# Altium PCB cyber60-smk.PcbDoc (part 4 of 4)
Units mm, origin at the board's own origin, x right, y up, seen from the top; angles counter-clockwise.
Board outline 284.73 x 94.2 mm, 2 copper layers (Component Side, Bottom Layer), stack 1.571 mm thick; 239 components, 148 nets, 988 pads, 591 vias.
Unrouted connection lines stored in the file: 6.
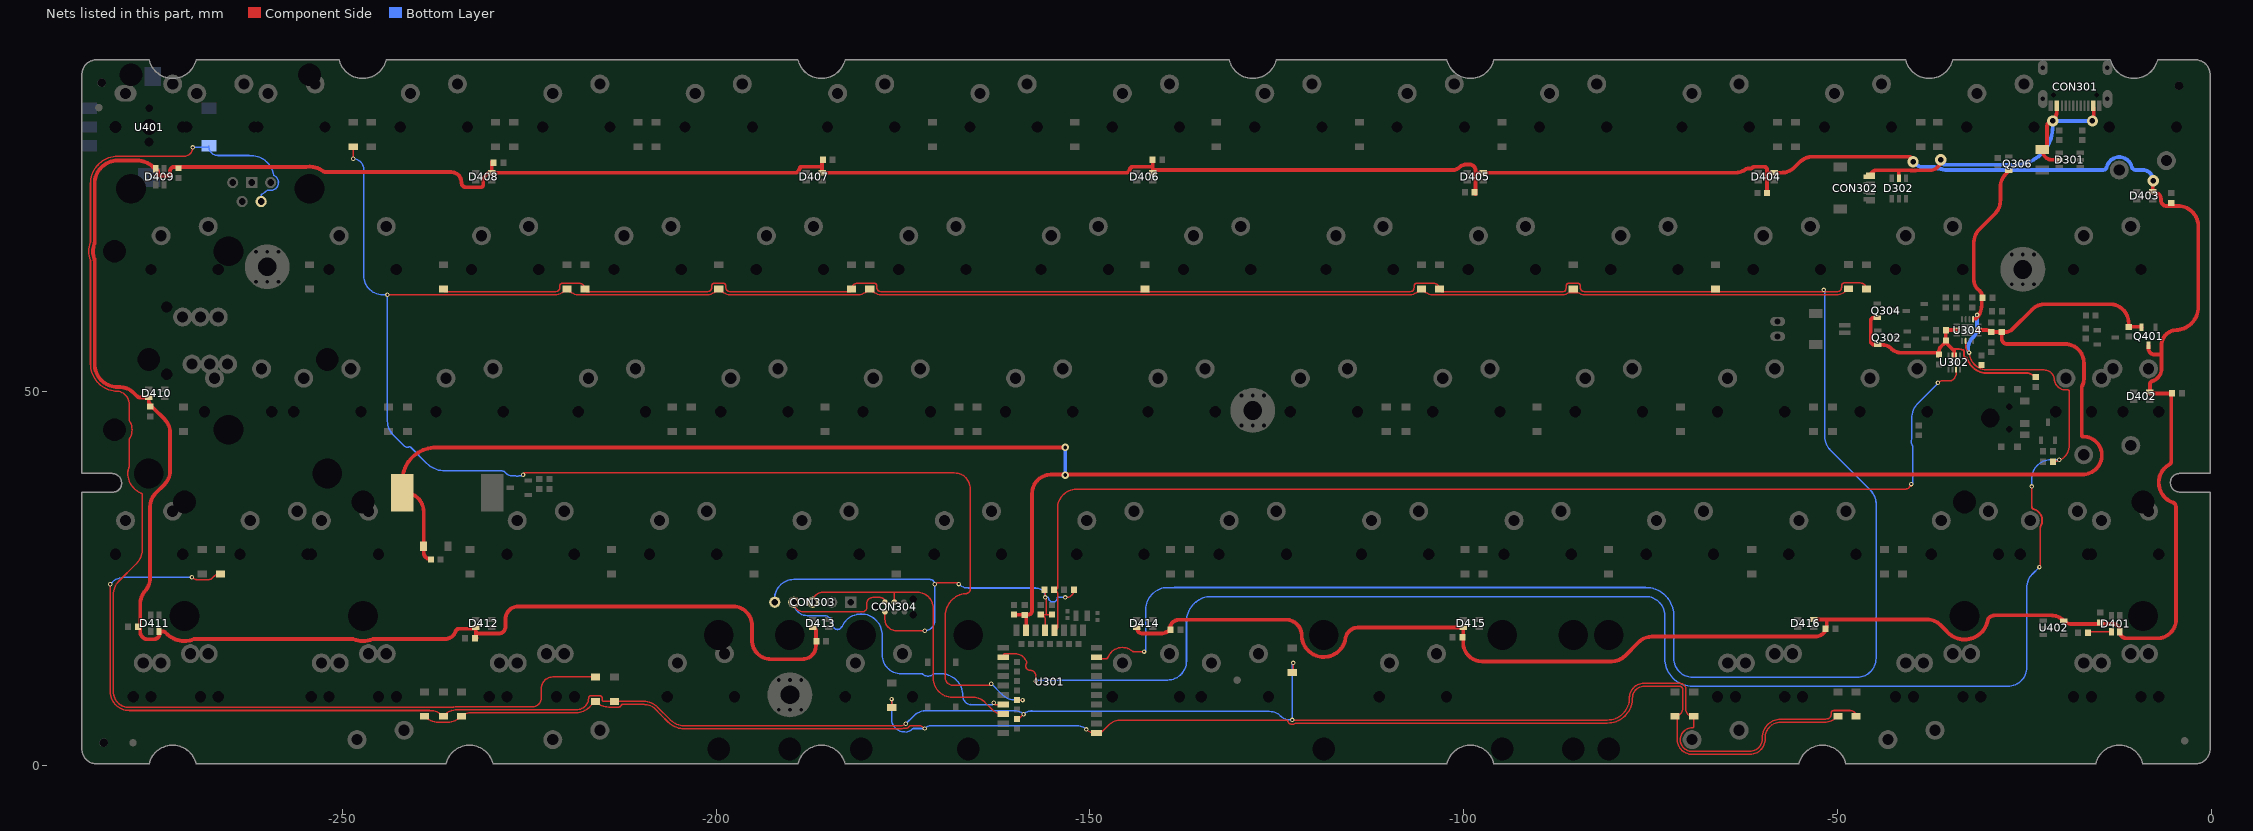
[diagram p4: the nets of this part, all layers, seen from the top]

## Via types
v1: diameter 0.6, hole 0.3, Component Side to Bottom Layer, tented both sides, 577 vias
v2: diameter 1, hole 0.5, Component Side to Bottom Layer, tented both sides, 9 vias
v3: diameter 1.5, hole 0.75, Component Side to Bottom Layer, tented both sides, 5 vias

## Nets (pads, with @x,y where several pads share a name; then routed paths per layer and width w, separated by ;. In a path a pad name is that pad's centre, name@x,y a point inside that pad or via, vN(x,y) a via of type N, cw(c..) or ccw(c..) an arc to the next point about the centre after c; other vN are vias at no path point) (continued)
P0.31/AIN7: D215.2 D217.2 D219.2 D221.2 D223.2 D225.2 D227.2 U301.9 | length 374.3
  Component Side w0.203: D227.2@-236.474,63.73 ccw(c-235.99,63.73) -236.368,63.428 ccw(c-236.209,63.554) -236.209,63.351 -232.791,63.351 -221.798,63.351 ccw(c-221.798,65.488) -221.26,63.42 ccw(c-221.311,63.617) -221.207,63.442 ccw(c-221.534,63.984) -220.901,63.984 -220.901,64.185 cw(c-220.574,64.185) -220.574,64.512 -218.333,64.512 cw(c-218.333,63.73) D225.2@-217.551,63.73 ccw(c-217.067,63.73) -217.445,63.428 ccw(c-217.286,63.554) -217.286,63.351 -216.281,63.351 -201.478,63.351 ccw(c-201.478,65.488) -200.94,63.42 ccw(c-200.991,63.617) -200.887,63.442 ccw(c-201.214,63.984) -200.581,63.984 -200.581,64.185 cw(c-200.254,64.185) -200.254,64.512 -199.034,64.512 cw(c-199.034,64.185) -198.707,64.185 -198.707,63.984 ccw(c-198.074,63.984) -198.405,63.445 ccw(c-198.297,63.617) -198.35,63.421 ccw(c-197.81,65.488) -197.81,63.351 -196.215,63.351 -182.129,63.351 ccw(c-182.129,63.554) -181.971,63.426 ccw(c-182.348,63.73) D223.2@-181.864,63.73 cw(c-181.082,63.73) -181.082,64.512 -178.841,64.512 cw(c-178.841,64.185) -178.514,64.185 -178.514,63.984 ccw(c-177.881,63.984) -178.212,63.445 ccw(c-178.104,63.617) -178.157,63.421 ccw(c-177.617,65.488) -177.617,63.351 -107.498,63.351 ccw(c-107.498,65.488) -106.97,63.418 ccw(c-107.498,65.488) -106.968,63.418 ccw(c-107.498,65.488) -106.882,63.442 ccw(c-106.94,63.637) -106.792,63.497 ccw(c-107.129,63.811) -106.669,63.811 ccw(c-107.667,64.185) -106.601,64.185 cw(c-106.274,64.185) -106.274,64.512 -104.033,64.512 cw(c-104.033,63.73) D219.2@-103.251,63.73 ccw(c-102.872,63.73) -102.872,63.351 -87.102,63.351 ccw(c-87.102,65.488) -86.538,63.427 ccw(c-86.591,63.623) -86.421,63.512 ccw(c-87.146,63.984) -86.281,63.984 -86.281,64.185 cw(c-85.954,64.185) -85.954,64.512 -84.734,64.512 cw(c-84.734,64.185) -84.407,64.185 -84.407,63.984 ccw(c-83.774,63.984) -84.105,63.445 ccw(c-83.997,63.617) -84.05,63.421 ccw(c-83.51,65.488) -83.51,63.351 -50.388,63.351 ccw(c-50.388,65.488) -49.773,63.442 ccw(c-49.832,63.636) -49.713,63.471 ccw(c-50.084,63.984) -49.451,63.984 -49.451,64.225 cw(c-49.124,64.225) -49.124,64.552 -46.923,64.552 cw(c-46.923,63.73) D215.2@-46.101,63.73 ; U301.9@-148.38,14.297 -147.79,14.297 ccw(c-147.79,14.5) -147.599,14.43 cw(c-145.649,13.715) -144.295,15.289 ; -145.13,15.725 cw(c-145.649,13.715) -144.295,15.289 ; v1(-142.748,15.24) -144.163,15.24 cw(c-144.163,15.443) -144.294,15.288 cw(c-144.163,15.443) -144.295,15.289
  Bottom Layer w0.203: v1(-142.748,15.24) ccw(c-142.748,15.472) -142.516,15.472 -142.516,20.87 cw(c-139.573,20.87) -141.88,22.697 cw(c-139.573,20.87) -140.963,23.464 cw(c-139.573,20.87) -139.573,23.813 -138.715,23.813 ccw(c-138.715,24.016) -138.684,23.816 -75.648,23.816 cw(c-75.648,20.066) -73.734,23.29 cw(c-75.648,20.066) -72.722,22.412 ccw(c-72.564,22.539) -72.644,22.352 ccw(c-72.443,22.38) -72.607,22.261 cw(c-75.648,20.066) -71.922,20.485 cw(c-75.648,20.066) -71.898,20.066 -71.898,14.346 ccw(c-69.358,14.351) -71.575,13.111 ccw(c-69.358,14.351) -70.148,11.937 ccw(c-69.358,14.351) -69.358,11.811 -47.371,11.811 ccw(c-47.371,14.351) -44.831,14.351 -44.831,35.016 ccw(c-47.371,35.016) -45.575,36.812 -50.945,42.182 cw(c-49.149,43.978) -51.689,43.978 -51.689,63.32 ccw(c-52.123,63.32) v1(-51.816,63.627)
P1.00: D216.2 D218.2 D220.2 D222.2 D224.2 D226.2 D228.2 U301.36 | length 361
  Component Side w0.203: v1(-248.539,81.153) D228.2@-248.539,82.78 ; v1@-243.967,62.948 -221.798,62.948 ccw(c-221.798,65.488) -220.002,63.692 D226.2@-219.964,63.73 D226.2@-219.904,63.67 ; v1(-225.83,38.91) cw(c-225.598,38.91) -225.598,39.142 -168.126,39.142 cw(c-168.126,37.006) -165.989,37.006 -165.989,23.632 cw(c-166.623,23.632) -165.989,23.624 cw(c-166.623,23.632) -166.059,23.342 cw(c-166.623,23.632) -166.213,23.148 cw(c-166.623,23.632) -166.29,23.093 cw(c-166.623,23.632) -166.5,23.01 cw(c-166.623,23.632) -166.623,22.998 ccw(c-166.623,22.595) -166.66,22.996 ccw(c-166.386,20.066) -166.679,22.995 ; D226.2@-219.903,63.669 ccw(c-218.161,65.413) -219.39,63.276 ccw(c-218.161,65.413) -218.161,62.948 -201.478,62.948 ccw(c-201.478,65.488) -200.23,63.276 ccw(c-201.478,65.488) -199.682,63.692 D224.2@-199.644,63.73 -199.606,63.692 ccw(c-197.81,65.488) -199.058,63.276 ccw(c-197.81,65.488) -197.81,62.948 -181.254,62.948 ccw(c-181.254,65.413) -180.025,63.276 ccw(c-181.254,65.413) -179.511,63.67 D222.2@-179.451,63.73 -179.413,63.692 ccw(c-177.617,65.488) -178.865,63.276 ccw(c-177.617,65.488) -177.617,62.948 -107.498,62.948 ccw(c-107.498,65.488) -106.25,63.276 ccw(c-107.498,65.488) -105.702,63.692 D220.2@-105.664,63.73 -105.604,63.67 ccw(c-103.861,65.413) -105.09,63.276 ccw(c-103.861,65.413) -103.861,62.948 -87.102,62.948 ccw(c-87.102,65.488) D218.2@-85.854,63.276 ; -167.489,22.795 cw(c-166.386,20.066) -167.347,22.848 cw(c-166.386,20.066) -166.679,22.995 ; v1(-163.195,10.955) -163.195,10.922 -163.295,10.822 ccw(c-163.23,10.757) -163.322,10.757 -168.402,10.757 cw(c-168.402,11.684) -168.425,10.757 ccw(c-168.447,9.951) -168.427,10.757 cw(c-168.402,11.684) -169.018,10.991 -169.079,11.052 ccw(c-170.053,10.335) -169.162,11.152 cw(c-168.402,11.684) -169.329,11.684 -169.329,20.066 cw(c-166.386,20.066) -168.39,22.222 cw(c-166.386,20.066) -166.946,22.955 cw(c-166.386,20.066) -166.679,22.995 ; U301.36@-159.748,8.771 -159.74,8.763 v1(-159.004,8.763) ; D218.2@-85.306,63.692 cw(c-87.102,65.488) D218.2@-85.854,63.276 ; D216.2@-48.514,63.77 -48.592,63.692 cw(c-50.388,65.488) -50.388,62.948 -83.51,62.948 cw(c-83.51,65.488) -84.758,63.276 D218.2@-85.854,63.276
  Bottom Layer w0.203: v1(-248.539,81.153) cw(c-248.539,79.756) -247.142,79.756 -247.142,65.532 ccw(c-244.602,65.532) -244.602,62.992 v1(-243.967,62.992) -243.967,46.057 ccw(c-241.427,46.057) -243.223,44.261 -241.791,42.829 cw(c-241.934,42.685) -241.775,42.811 ccw(c-241.3,43.18) -241.076,42.622 cw(c-241.001,42.433) -240.857,42.576 -238.694,40.414 ccw(c-236.311,42.799) -238.013,39.889 ccw(c-236.311,42.799) -236.832,39.468 ccw(c-236.311,42.799) -236.311,39.427 -228.727,39.427 cw(c-228.727,38.683) -228.2,39.208 -228.122,39.131 cw(c-228.265,38.986) -228.108,39.115 ccw(c-227.33,39.751) -227.933,38.947 ccw(c-227.33,39.751) -227.191,38.756 -226.9,38.756 cw(c-226.899,38.553) -226.824,38.742 ; -226.823,38.741 ccw(c-226.6,39.3) -226.377,38.741 ; -226.376,38.742 cw(c-226.301,38.553) -226.3,38.756 -226.202,38.756 ccw(c-226.202,39.283) v1(-225.83,38.91) ; v1(-163.195,10.955) -161.747,9.507 ccw(c-159.951,11.303) -159.951,8.763 v1(-159.004,8.763)
P1.04: D257.2 D259.2 D261.2 D263.2 D265.2 D267.2 U301.40 | length 298.7
  Component Side w0.203: v1(-281.051,24.257) -281.051,9.902 ccw(c-278.511,9.902) -278.511,7.362 -238.308,7.362 cw(c-238.308,4.822) -236.512,6.618 -236.403,6.727 cw(c-234.607,4.931) -234.607,7.471 -218.719,7.471 ccw(c-218.719,9.608) -218.118,7.557 ccw(c-218.63,9.035) -217.066,9.035 cw(c-216.764,9.035) -216.764,9.337 -215.544,9.337 cw(c-215.544,9.035) -215.242,9.035 -215.242,8.783 ccw(c-215.039,8.783) -215.039,8.58 D263.2@-213.614,8.58 -209.657,8.58 cw(c-209.657,6.04) -207.861,7.836 -206.103,6.078 ccw(c-204.307,7.874) -204.307,5.334 -175.238,5.334 ccw(c-175.238,6.201) v1(-174.625,5.588) ; v1(-270.117,25.196) ccw(c-269.278,26.035) -269.413,24.856 ccw(c-269.278,26.035) -269.278,24.848 -267.97,24.848 ccw(c-267.97,25.662) -267.395,25.086 -267.081,25.4 cw(c-266.526,24.845) -266.526,25.63 D267.2@-266.319,25.63 ; U301.40@-159.748,6.231 ccw(c-159.748,6.82) -159.331,6.404 v1(-158.877,6.858) ; v1(-122.936,6.096) ccw(c-122.902,6.13) -122.902,6.082 -80.773,6.082 ccw(c-80.773,9.025) -79.929,6.206 ccw(c-80.773,9.025) -78.454,7.214 ccw(c-80.773,9.025) -77.83,9.025 cw(c-75.846,9.025) -75.846,11.01 -71.132,11.01 cw(c-71.132,10.16) -70.282,10.16 -70.282,7.492 ccw(c-69.37,7.492) -69.37,6.58 D259.2@-69.215,6.58 -69.215,5.241 cw(c-69.418,5.24) -69.422,5.036 ccw(c-69.449,3.465) -70.237,4.825 ccw(c-69.449,3.465) -70.886,2.828 ; D261.2@-122.936,12.462 ccw(c-123.287,12.813) -122.791,12.813 v1(-122.791,13.717) ; -70.546,4.591 ccw(c-69.449,3.465) -70.768,2.61 ccw(c-69.449,3.465) -69.625,1.903 ccw(c-69.449,3.465) -69.473,1.894 ccw(c-69.449,3.465) -69.427,1.894 cw(c-69.425,1.69) -69.424,1.894 -61.733,1.894 ccw(c-61.733,3.556) -60.071,3.556 -60.071,3.705 cw(c-57.575,3.705) -57.575,6.201 -51.745,6.201 ccw(c-51.745,8.338) -51.207,6.27 ccw(c-51.258,6.467) -51.154,6.292 ccw(c-51.481,6.834) -50.848,6.834 -50.848,7.035 cw(c-50.521,7.035) -50.521,7.362 -48.28,7.362 cw(c-48.28,6.58) D257.2@-47.498,6.58
  Bottom Layer w0.203: v1(-281.051,24.257) -280.856,24.452 cw(c-279.06,22.656) -279.06,25.196 v1(-270.117,25.196) ; v1(-174.625,5.588) -173.613,6.6 cw(c-171.817,4.804) -171.817,7.344 -160.05,7.344 cw(c-160.05,5.685) v1(-158.877,6.858) cw(c-157.704,5.685) -157.704,7.344 ; -158.242,7.239 -125.993,7.239 cw(c-125.993,5.071) -124.46,6.604 ccw(c-123.234,7.83) -123.234,6.096 v1(-122.936,6.096) -122.936,13.366 cw(c-122.439,13.366) v1(-122.791,13.717)
P1.09: R304.2 U301.17 U302.7 | length 152.1
  Component Side w0.203: U301.17@-154.718,18.106 ccw(c-154.718,18.497) -154.327,18.497 -154.327,23.024 ccw(c-154.798,23.024) R304.2@-154.798,23.495 -154.686,23.495 ccw(c-154.686,23.876) -154.31,23.814 cw(c-153.431,23.988) -154.327,23.988 -154.327,34.417 cw(c-151.787,34.417) -151.787,36.957 -40.854,36.957 cw(c-40.386,36.068) -40.518,37.064 cw(c-39.971,36.814) -40.087,37.404 -40.121,37.438 v1(-40.121,37.655) ; v1(-36.553,51.218) cw(c-35.948,50.612) -35.948,51.468 -35.006,51.468 cw(c-34.975,51.066) -34.975,51.47 cw(c-34.975,51.066) -34.956,51.469 ccw(c-34.925,52.07) -34.656,51.532 ccw(c-34.925,52.07) -34.444,51.709 ccw(c-35.216,52.481) -34.377,51.782 ccw(c-35.64,52.785) -34.285,51.911 ccw(c-35.216,52.481) -34.124,52.481 U302.7@-34.124,52.986 ; -34.956,51.469 ccw(c-34.925,52.07) -34.925,51.468 ccw(c-34.925,52.07) -34.826,51.477
  Bottom Layer w0.203: v1(-40.121,37.655) ccw(c-40.121,38.086) -39.922,37.703 -39.922,42.708 cw(c-39.116,43.307) -40.057,43.659 -40.057,46.416 cw(c-37.114,46.416) -39.196,48.496 -36.609,51.083 ccw(c-36.743,51.218) v1(-36.553,51.218)
P1.11: D258.2 D260.2 D262.2 D264.2 D266.2 D270.2 U301.1 | length 219.6
  Component Side w0.203: D266.2@-239.014,6.58 -238.976,6.542 ccw(c-237.18,8.338) -237.18,5.798 -235.895,5.798 ccw(c-235.895,8.338) -234.099,6.542 D264.2@-234.061,6.58 ; D264.2@-234.061,6.58 cw(c-232.884,5.403) -232.884,7.068 -218.719,7.068 ccw(c-218.719,9.608) -216.922,7.812 D270.2@-216.154,8.58 -216.12,8.546 ccw(c-214.376,10.289) -215.709,8.214 ccw(c-214.376,10.289) -214.376,7.823 -213.004,7.823 ccw(c-213.004,8.125) -212.716,8.036 cw(c-212.522,7.974) -212.523,8.177 -209.681,8.177 cw(c-209.681,7.974) -209.623,8.168 -209.53,8.14 ccw(c-209.472,8.335) -209.473,8.132 -209.242,8.132 cw(c-209.243,7.929) -209.201,8.128 cw(c-209.657,6.04) -208.145,7.55 cw(c-208.287,7.404) -208.143,7.548 -207.422,6.827 -206.388,5.793 ccw(c-204.307,7.874) -204.754,4.965 cw(c-204.785,4.764) -204.739,4.962 ccw(c-204.47,6.104) -204.47,4.931 -175.238,4.931 ccw(c-175.238,6.201) -174.848,4.992 cw(c-174.785,4.799) -174.745,4.999 ccw(c-174.625,5.588) -174.131,5.245 cw(c-173.964,5.129) -173.974,5.332 cw(c-173.906,3.957) -173.906,5.334 -173.005,5.334 cw(c-173.005,4.033) v1(-172.085,4.953) ; v1(-176.53,8.89) cw(c-176.53,8.86) -176.5,8.86 D262.2@-176.5,7.763 ; v1(-150.495,4.826) ccw(c-149.288,6.033) -149.288,4.326 U301.1@-149.098,4.326 ccw(c-149.098,5.572) U301.1@-148.961,4.334 ; U301.1@-148.447,4.362 -148.45,4.362 U301.1@-148.961,4.334 ; -71.424,3.43 cw(c-69.449,3.465) -71.424,3.498 ; D260.2@-71.408,6.414 ccw(c-71.587,6.414) D260.2@-71.587,6.593 ; D258.2@-49.911,6.58 -49.949,6.542 cw(c-51.745,8.338) -51.745,5.798 -57.575,5.798 ccw(c-57.575,3.705) -59.424,4.685 ccw(c-57.575,3.705) -59.668,3.705 -59.668,3.556 cw(c-61.733,3.556) -59.713,3.126 cw(c-61.733,3.556) -60.199,2.173 cw(c-61.733,3.556) -61.733,1.49 -69.422,1.49 ccw(c-69.422,1.287) -69.424,1.49 cw(c-69.449,3.465) -71.366,2.987 cw(c-69.449,3.465) -71.424,3.498 ; U301.1@-148.961,4.334 ccw(c-149.098,5.572) -148.217,4.691 -147.556,5.352 cw(c-145.76,3.556) -146.026,6.082 -123.537,6.082 ccw(c-122.936,6.096) -123.369,5.679 ; -123.369,5.679 ccw(c-122.936,6.096) -122.503,5.679 ; -123.369,5.679 ccw(c-122.936,6.096) -122.503,5.679 ; -122.503,5.679 -80.773,5.679 ccw(c-80.773,9.025) -79.074,6.143 ccw(c-80.773,9.025) -78.283,6.79 ccw(c-80.773,9.025) -77.679,7.751 ccw(c-80.773,9.025) -77.427,9.025 cw(c-75.846,9.025) -75.846,10.607 -71.132,10.607 cw(c-71.132,10.16) -70.685,10.16 -70.685,7.65 cw(c-71.755,7.65) D260.2@-71.587,6.593 ; D260.2@-71.587,6.593 cw(c-71.755,7.65) D260.2@-71.755,6.58 cw(c-71.755,6.249) -71.424,6.249 -71.424,3.502 cw(c-71.627,3.501) -71.424,3.499 cw(c-71.627,3.501) -71.424,3.498
  Bottom Layer w0.203: v1(-176.53,8.89) -176.53,6.271 ccw(c-174.747,6.271) -174.747,4.488 ccw(c-174.625,5.588) -173.775,4.88 cw(c-173.619,4.75) -173.618,4.953 v1(-172.085,4.953) -172.067,4.953 -172.067,4.971 cw(c-171.165,4.033) -171.165,5.334 -151.721,5.334 cw(c-151.721,3.6) v1(-150.495,4.826)
RAW: CON301.A4B9 CON301.B4A9 CON302.1 D301.5 D302.5 F301.2 | length 47.1
  Component Side w0.5: CON302.1@-45.625,78.75 cw(c-44.746,78.75) -44.746,79.629 -41.783,79.629 ; D302.5@-41.783,78.591 -41.783,79.629 ; v3(-36.195,81.026) cw(c-37.592,81.026) -37.592,79.629 -39.44,79.629 ccw(c-39.441,79.129) -39.57,79.612 cw(c-39.878,80.772) -40.186,79.612 ccw(c-40.315,79.129) -40.316,79.629 -41.783,79.629 ; CON301.B4A9@-20.65,88 -20.65,87.583 cw(c-22.559,87.583) v3(-21.209,86.233) ccw(c-21.209,85.471) -21.971,85.471 -21.971,83.011 cw(c-22.606,83.011) F301.2@-22.606,82.376 ccw(c-21.256,82.376) -21.256,81.026 D301.5@-20.298,81.026 ; v3@-15.7,86.535 CON301.A4B9@-15.7,88
  Bottom Layer w0.5: v3(-36.195,81.026) ccw(c-35.55,81.026) -35.55,80.381 -26.262,80.381 ccw(c-26.262,85.433) -21.209,85.433 v3(-21.209,86.233) v3@-16.002,86.233
  other v3: -15.9,86.233
ROT_SW_A1: CON401.1 D270.1 U401.1 | length 176.9
  Component Side w0.203: -280.257,50.077 cw(c-280.035,53.721) -280.655,50.123 cw(c-280.035,53.721) -282.092,50.704 cw(c-280.035,53.721) -283.131,51.786 cw(c-280.035,53.721) -283.686,53.721 -283.686,67.534 ccw(c-283.889,67.535) -283.698,67.604 cw(c-280.465,68.783) -283.698,69.962 ccw(c-283.889,70.031) -283.686,70.032 -283.686,77.85 cw(c-280.035,77.85) -283.24,79.599 cw(c-280.035,77.85) -281.556,81.169 cw(c-280.035,77.85) -280.035,81.501 -278.384,81.501 -276.763,81.501 -271.178,81.501 ccw(c-271.178,82.677) v1(-270.002,82.677) ; -280.256,50.076 ccw(c-280.035,53.721) -280.119,50.071 cw(c-280.124,49.868) -280.106,50.07 cw(c-280.257,48.331) -278.511,48.331 -278.511,47.052 -278.511,46.234 ccw(c-278.308,46.236) -278.481,46.129 cw(c-280.465,44.907) -278.481,43.685 ccw(c-278.308,43.578) -278.511,43.578 -278.511,40.078 cw(c-278.714,40.077) -278.523,40.009 cw(c-278.714,40.077) -278.523,40.008 ccw(c-275.888,39.06) -278.687,39.134 ; -278.665,39.423 ccw(c-275.888,39.06) -276.907,36.451 cw(c-276.981,36.262) -276.777,36.261 -276.777,28.821 cw(c-279.317,28.821) -277.521,27.025 -279.904,24.642 ccw(c-278.108,22.846) -280.648,22.846 -280.648,16.256 -280.648,9.902 ccw(c-278.511,9.902) -279.723,8.142 ccw(c-278.511,9.902) -278.511,7.765 -235.427,7.765 ccw(c-235.427,7.968) -235.374,7.772 cw(c-234.607,4.931) -234.607,7.874 -224.536,7.874 ccw(c-224.536,9.017) -223.393,9.017 -223.393,10.287 cw(c-221.83,10.287) -221.83,11.85 D270.1@-216.154,11.85
  Bottom Layer w0.203: v1(-270.002,82.677) -268.082,82.677 ccw(c-268.082,82.915) U401.1@-267.844,82.915 ccw(c-266.336,82.915) -267.839,82.794 ccw(c-266.649,82.794) -267.53,81.994 ccw(c-266.649,82.794) -266.65,81.604 ; -266.649,81.604 -262.488,81.604 cw(c-262.488,81.401) -262.467,81.603 -261.834,81.538 cw(c-262.128,78.61) -259.618,80.147 cw(c-262.128,78.61) -259.205,78.958 cw(c-259.588,77.978) -258.568,77.723 cw(c-259.588,77.978) -259.522,76.928 cw(c-259.588,77.978) -259.902,76.974 ccw(c-259.963,76.781) -260.02,76.976 -260.025,76.971 cw(c-262.105,79.053) -260.761,76.435 ccw(c-260.668,76.254) -260.858,76.327 CON401.1@-260.858,75.438
SWDCLK: CON303.3 CON304.4 U301.39 | length 40.6
  Component Side w0.203: CON303.3@-187.071,21.844 cw(c-185.718,21.844) -185.718,23.197 -176.149,23.197 ; CON304.4@-176.149,21.844 -176.149,23.197 ; U301.39@-161.77,6.866 U301.39@-161.598,6.866 cw(c-161.598,8.901) -163.037,7.462 -164.084,8.509 ccw(c-165.617,6.976) -165.617,9.144 -166.152,9.144 -168.402,9.144 cw(c-168.402,11.684) -170.942,11.684 -170.942,21.038 ccw(c-173.101,21.038) -173.101,23.197 -176.149,23.197
SWDIO: CON303.4 CON304.2 U301.37 | length 54
  Component Side w0.203: CON303.4@-189.611,21.844 ccw(c-188.341,21.844) -188.341,20.574 -180.403,20.574 ccw(c-180.403,21.145) -179.832,21.145 -179.832,21.717 cw(c-179.07,21.717) -179.07,22.479 -178.054,22.479 cw(c-178.054,21.844) CON304.2@-177.419,21.844 ; v1(-162.85,8.387) ccw(c-162.598,8.387) -162.598,8.136 U301.37@-161.598,8.136
  Bottom Layer w0.203: CON303.4@-189.611,21.844 ccw(c-187.833,21.844) -187.833,20.066 -185.641,20.066 cw(c-185.641,18.796) -184.371,18.796 ccw(c-183.769,18.796) -183.236,18.516 cw(c-183.057,18.421) -183.152,18.601 cw(c-180.589,17.47) -178.347,19.147 cw(c-180.589,17.47) -177.796,17.662 ; -177.791,17.569 -177.791,14.815 ccw(c-175.251,14.815) -175.251,12.275 -172.498,12.275 cw(c-172.499,12.071) -172.361,12.22 ccw(c-171.674,12.954) -170.987,12.221 cw(c-170.849,12.071) -170.85,12.275 -169.628,12.275 cw(c-169.628,11.938) -169.48,12.241 cw(c-169.926,9.331) -166.983,9.331 -166.983,9.271 ccw(c-165.862,9.271) -166.965,9.071 ccw(c-165.862,9.271) -166.961,9.051 ccw(c-165.862,9.271) -165.862,8.15 -164.602,8.15 -163.068,8.15 ccw(c-163.068,8.368) -162.85,8.368 v1(-162.85,8.387)
UG_OUT: D401.4 R404.1 | length 3.2
  Component Side w0.203: R404.1@-16.495,17.78 cw(c-16.188,17.473) -16.188,17.907 D401.4@-13.335,17.907
VBAT: C307.2 C312.2 C313.2 Q302.2 Q304.2 R311.2 U302.2 U302.3 U304.2 U304.3 | length 33.6
  Component Side w0.254: -34.374,55.699 -33.729,55.699 cw(c-33.729,54.185) -33.259,55.624 cw(c-33.338,55.383) -33.084,55.384 -33.084,54.903 ccw(c-32.757,54.903) -32.823,54.583 cw(c-32.876,54.334) -32.635,54.416 ccw(c-29.944,55.328) -30.395,52.522 ccw(c-29.944,55.328) -29.944,52.486 -24.518,52.486 cw(c-24.894,50.544) R311.2@-23.495,51.943 R311.2@-23.489,51.949
  Component Side w0.5: Q304.2@-44.661,59.905 -45.106,59.905 ccw(c-45.106,59.461) -45.55,59.461 -45.55,56.763 ccw(c-45.07,56.763) -45.07,56.283 Q302.2@-44.591,56.283 -43.962,56.283 cw(c-43.962,54.757) -42.883,55.836 ccw(c-41.35,57.369) -42.502,55.532 ccw(c-41.35,57.369) -41.35,55.201 C307.2@-36.787,55.201 ; C307.2@-36.406,54.835 C307.2@-36.406,54.962 -36.406,55.455 cw(c-35.605,55.455) -36.172,56.021 -35.652,56.541 -35.652,56.677 C312.2@-35.502,56.827 ; -34.374,54.82 -34.374,55.455 -35.502,56.583 C312.2@-35.502,56.827 ; -34.12,58.249 C313.2@-35.502,58.249 C312.2@-35.502,56.852 C312.2@-35.502,56.827
VBUS: C308.2 C309.2 Q306.2 R305.1 U301.27 U304.6 U304.13 | length 252.3
  Component Side w0.203: U301.27@-161.598,14.486 -161.579,14.784 cw(c-161.29,14.678) -161.439,14.947 cw(c-161.341,14.769) -161.315,14.971 ccw(c-161.209,15.756) -161.209,14.964 -160.02,14.964 cw(c-160.02,13.335) -158.47,13.834 cw(c-158.663,13.773) -158.492,13.663 ccw(c-157.988,13.335) -157.988,12.733 cw(c-157.988,11.971) -157.226,11.971 v1(-157.226,11.303) ; U304.6@-32.846,56.799 -32.846,55.931 ccw(c-32.643,55.932) -32.803,55.807 cw(c-33.338,55.383) -32.668,55.513 ccw(c-32.469,55.554) -32.658,55.479 -32.655,55.479 -32.357,55.328 ccw(c-29.944,55.328) -30.084,52.919 ccw(c-29.944,55.328) -29.944,52.915 -22.337,52.915 cw(c-22.337,51.575) -21.537,52.65 cw(c-22.337,51.575) -21.018,51.811 cw(c-21.218,51.777) -21.015,51.782 ; -23.251,34.013 cw(c-24.206,32.765) -22.86,31.954 -22.86,31.906 -22.86,26.67 cw(c-22.987,26.67) v1(-22.987,26.543) ; R305.1@-21.194,40.64 ccw(c-21.194,42.845) -18.989,42.845 -18.989,49.905 ccw(c-21.126,49.905) -18.996,50.074 ccw(c-19.198,50.057) -19.225,50.259 cw(c-19.444,51.815) -20.209,50.442 cw(c-19.444,51.815) -21.015,51.782 ; -20.997,51.575 cw(c-19.444,51.815) -21.015,51.782
  Component Side w0.254: v1(-24.003,37.338) -24.003,34.634 ccw(c-23.569,34.634) -23.876,34.327 cw(c-24.206,32.765) -23.622,34.251 ; -22.86,31.906 ccw(c-24.206,32.765) -22.634,32.486 ; -22.698,32.24 ccw(c-24.206,32.765) -22.634,32.486 ; -23.622,34.251 cw(c-24.206,32.765) -22.634,32.486 ; -23.622,34.251 cw(c-24.206,32.765) -22.634,32.486
  Component Side w0.5: -31.707,59.776 -31.45,59.776 ccw(c-33.246,61.572) -30.706,61.572 C309.2@-30.706,62.567 ; C309.2@-30.579,62.567 ccw(c-31.844,62.567) -30.71,63.128 ccw(c-31.844,62.567) -30.95,63.462 -31.242,63.754 cw(c-30.016,64.98) -31.75,64.98 -31.75,69.941 cw(c-29.21,69.941) -31.006,71.737 -28.938,73.805 ccw(c-30.734,75.601) -28.194,75.601 -28.194,77.378 cw(c-25.654,77.378) -27.45,79.174 Q306.2@-27.067,79.557
  Bottom Layer w0.203: v1(-157.226,11.303) cw(c-157.099,11.303) -157.099,11.43 -139.617,11.43 ccw(c-139.617,13.97) -137.077,13.97 -137.077,19.26 cw(c-133.731,19.26) -135.598,22.037 ccw(c-135.711,22.205) -135.592,22.041 cw(c-133.858,19.663) -133.858,22.606 -75.648,22.606 cw(c-75.648,20.066) -73.108,20.066 -73.108,16.129 -73.108,14.351 ccw(c-69.358,14.351) -73.108,14.345 ccw(c-69.358,14.351) -72.626,12.512 ccw(c-69.358,14.351) -71.235,11.105 ccw(c-69.358,14.351) -69.358,10.601 -27.218,10.601 ccw(c-27.218,13.141) -24.678,13.141 -24.678,23.8 cw(c-22.138,23.8) -24.257,25.2 cw(c-22.138,23.8) -23.934,25.596 v1(-22.987,26.543) ; v1(-24.003,37.338) -24.003,38.354 cw(c-21.463,38.354) -21.463,40.894 v1(-20.32,40.894)
  Bottom Layer w0.5: v1(-32.385,55.245) cw(c-32.078,55.552) -32.512,55.552 -32.512,55.753 cw(c-30.366,55.753) -31.883,57.271 -31.75,57.404 ccw(c-32.774,58.428) -31.326,58.428 v1(-31.326,60.281)
VCC_EXT: C401.2 C402.2 C403.2 C404.2 C405.2 C406.2 C407.2 C408.2 C409.2 C410.2 C411.2 C412.2 C413.2 C414.2 C415.2 C416.2 D401.1 D402.1 D403.1 D404.1 D405.1 D406.1 D407.1 D408.1 D409.1 D410.1 D411.1 D412.1 D413.1 D414.1 D415.1 D416.1 Q401.3 U402.5 | length 702.8
  Component Side w0.508: C410.2@-275.717,48.021 cw(c-275.717,47.444) -275.309,47.852 -273.794,46.337 cw(c-275.59,44.541) -273.05,44.541 -273.05,39.406 cw(c-275.59,39.406) -273.794,37.61 -274.973,36.431 ccw(c-273.177,34.635) -275.717,34.635 -275.717,25.055 cw(c-278.257,25.055) -276.461,23.259 cw(c-276.895,23.523) -276.486,23.222 ccw(c-274.222,21.553) -277.035,21.553 -277.035,17.884 ccw(c-276.042,17.884) -276.042,16.891 -275.209,16.891 ccw(c-275.209,17.65) -274.45,17.65 -274.45,17.935 -273.993,17.935 cw(c-273.992,17.427) -273.614,17.767 ccw(c-271.118,20.01) -272.313,16.874 ccw(c-271.118,20.01) -271.15,16.654 ccw(c-271.118,20.01) -269.887,16.888 cw(c-269.701,16.415) -269.699,16.923 -267.477,16.923 ccw(c-267.477,17.479) -267.453,16.924 cw(c-267.311,13.831) -267.311,16.927 -248.669,16.927 cw(c-248.669,16.419) -248.481,16.891 ccw(c-247.242,20.01) -246.003,16.891 cw(c-245.815,16.419) -245.814,16.927 -236.263,16.927 ccw(c-236.263,18.415) -234.849,17.954 cw(c-234.366,17.795) -234.368,18.303 -232.295,18.303 ccw(c-232.295,18.45) -232.156,18.402 ccw(c-232.295,18.45) D412.1@-232.148,18.45 -232.148,17.947 ; C410.2@-275.717,48.167 -275.696,48.167 cw(c-275.246,48.403) -275.742,48.292 ccw(c-276.479,48.133) -275.826,48.51 cw(c-275.385,48.762) -275.893,48.761 D410.1@-275.893,49.234 -277.051,49.234 cw(c-277.051,49.862) -277.495,49.418 -277.958,49.881 ccw(c-279.755,48.085) -279.755,50.625 -280.035,50.625 cw(c-280.035,53.721) -281.316,50.903 cw(c-280.035,53.721) -283.131,53.721 -283.131,67.578 ccw(c-283.639,67.58) -283.164,67.76 cw(c-280.465,68.783) -283.164,69.806 ccw(c-283.639,69.986) -283.131,69.988 -283.131,77.85 cw(c-280.035,77.85) -283.119,78.119 cw(c-280.035,77.85) -280.035,80.946 -277.485,80.946 cw(c-277.49,77.85) -275.533,80.248 cw(c-277.49,77.85) -275.531,80.247 cw(c-277.49,77.85) D409.1@-275.257,79.994 ; D409.1@-274.95,79.815 cw(c-275.162,79.353) -274.654,79.353 -274.654,79.315 ccw(c-274.2,79.315) -274.2,78.861 -273.5,78.861 ccw(c-273.5,79.315) -273.046,79.315 -273.046,79.52 cw(c-272.491,79.52) -272.491,80.074 -270.704,80.074 -254.895,80.074 ccw(c-254.895,80.582) -254.821,80.08 ccw(c-254.895,80.582) -254.819,80.08 cw(c-254.381,77.16) -253.907,80.075 cw(c-254.381,77.16) -252.575,79.496 ccw(c-252.264,79.898) -252.264,79.39 -238.252,79.39 -235.479,79.39 ; -235.458,79.39 cw(c-235.458,78.003) -234.071,78.003 -234.071,78 ccw(c-233.414,78) -233.418,77.343 ccw(c-233.411,79.39) -233.411,77.343 -231.521,77.343 ccw(c-231.521,77.724) -231.14,77.724 -231.14,78.178 cw(c-230.018,78.178) D408.1@-230.018,79.3 ; C412.2@-232.029,17.033 cw(c-231.742,17.32) -232.148,17.32 -232.148,17.947 ; C408.2@-230.012,80.772 -230.012,79.306 D408.1@-230.018,79.3 ; -227.724,20.734 cw(c-226.462,19.576) -226.462,21.288 -197.739,21.288 cw(c-197.739,18.748) -195.199,18.748 -195.199,16.764 ccw(c-192.659,16.764) -192.659,14.224 -188.452,14.224 ccw(c-188.452,16.026) -186.65,16.026 -186.65,18.035 ccw(c-187.065,18.035) D413.1@-187.065,18.45 ; -227.485,20.949 ccw(c-226.462,19.576) -228.175,19.576 cw(c-229.856,19.576) -228.175,19.556 -228.175,18.586 cw(c-229.115,18.586) -229.115,17.646 -231.778,17.646 cw(c-231.778,18.024) -232.148,17.947 ; -188.879,79.727 cw(c-189.38,79.815) -189.226,79.33 cw(c-189.422,79.947) -189.422,79.3 D408.1@-230.018,79.3 ; -188.879,79.728 cw(c-188.432,79.65) -188.776,79.947 cw(c-188.618,79.947) -188.618,80.104 -185.947,80.104 ccw(c-185.947,80.235) -185.816,80.235 ; C407.2@-185.816,81.026 -185.816,80.235 ; D414.1@-143.715,18.45 ccw(c-142.911,18.45) -142.911,17.646 -140.577,17.646 ccw(c-140.577,19.404) -139.334,18.161 cw(c-137.988,18.161) -139.253,18.62 cw(c-137.988,18.161) -139.207,18.732 cw(c-137.988,18.161) -137.988,19.507 -123.773,19.507 cw(c-123.773,17.405) -121.671,17.464 cw(c-122.179,17.451) -121.671,17.455 ccw(c-118.718,17.47) -121.62,16.926 -121.62,16.924 ccw(c-118.718,17.47) -121.427,16.296 ccw(c-118.718,17.47) -115.96,16.416 ; C406.2@-141.62,81.026 -141.585,81.026 -141.585,80.104 ; -116.179,15.963 ccw(c-118.718,17.47) -115.789,17.099 cw(c-115.285,17.033) -115.781,17.144 cw(c-114.138,16.764) -114.138,18.45 D415.1@-100.065,18.45 -100.065,16.463 ccw(c-97.525,16.463) -97.525,13.923 -80.22,13.923 ccw(c-80.22,16.463) -79.228,14.125 ccw(c-80.22,16.463) -78.424,14.667 -76.592,16.499 cw(c-74.796,14.703) -75.631,17.102 cw(c-74.796,14.703) -74.796,17.243 -52.959,17.243 ccw(c-52.959,18.767) -51.435,18.767 -51.435,19.543 ; C405.2@-98.425,76.454 -98.425,79.3 ; -63.514,79.306 cw(c-63.69,81.724) -63.69,79.3 D405.1@-97.368,79.3 -98.425,79.3 ; -63.325,79.328 ccw(c-63.69,81.724) -62.32,79.724 cw(c-61.893,79.097) -61.891,79.856 -61.71,79.856 ccw(c-61.71,80.364) -61.369,79.987 cw(c-61.065,79.65) -61.065,80.104 -59.823,80.104 cw(c-59.823,79.702) -59.421,79.702 -59.421,79.3 ; C404.2@-59.421,76.581 -59.421,79.3 ; D416.1@-53.152,19.55 -51.435,19.55 -51.435,19.543 ; v3@-39.878,81.153 ccw(c-40.577,80.454) -40.577,81.442 -53.268,81.442 ccw(c-53.268,78.902) -55.065,80.698 -55.719,80.044 cw(c-57.515,81.84) -57.515,79.3 D404.1@-58.435,79.3 -59.421,79.3 ; Q401.3@-8.382,56.204 -8.382,55.753 ccw(c-7.62,55.753) -7.62,54.991 -6.788,54.991 ccw(c-6.788,55.118) -6.661,55.118 ; v3(-7.747,78.232) ccw(c-7.747,78.154) -7.825,78.154 -7.825,76.623 -7.535,76.623 cw(c-7.535,75.819) -6.731,75.819 -6.731,75.618 ccw(c-5.963,75.618) -5.963,74.851 -4.445,74.851 cw(c-4.445,72.136) -3.718,74.752 cw(c-4.445,72.136) -2.45,73.977 cw(c-4.445,72.136) -1.73,72.136 -1.73,71.85 -1.73,61.341 cw(c-4.826,61.341) -2.637,59.152 cw(c-4.826,61.341) -3.936,58.376 cw(c-4.826,61.341) -4.44,58.27 ccw(c-4.377,57.766) -4.493,58.26 cw(c-4.62,58.801) -4.62,58.245 ccw(c-4.62,56.204) -6.661,56.204 -6.661,55.118 ; -6.756,39.02 -6.85,38.794 ccw(c-5.408,38.2) -6.937,38.504 -6.984,38.267 ccw(c-5.455,37.965) -7.012,38.043 -7.018,37.92 ccw(c-5.461,37.846) -7.018,37.772 -7.012,37.645 ccw(c-5.455,37.722) -6.984,37.417 -6.935,37.173 ccw(c-5.406,37.477) -6.847,36.883 -6.75,36.649 ccw(c-5.311,37.247) -6.607,36.381 -6.468,36.173 ccw(c-5.173,37.04) -6.276,35.939 -6.097,35.761 ccw(c-4.997,36.864) -5.863,35.568 -5.656,35.43 ccw(c-4.79,36.726) -5.386,35.286 -5.154,35.19 ccw(c-4.56,36.631) -5.089,35.164 cw(c-5.261,34.687) -4.813,34.925 cw(c-5.656,34.473) -4.699,34.473 -4.699,19.558 cw(c-7.239,19.558) -7.239,17.018 -11.333,17.018 cw(c-11.333,17.935) -12.25,17.935 -12.25,18.092 ccw(c-13.081,18.092) -13.081,18.923 -18.64,18.923 cw(c-18.64,20.432) U402.5@-19.707,19.365 ccw(c-21.467,17.605) -21.467,20.094 -28.959,20.094 ccw(c-28.959,19.073) -29.815,19.631 ccw(c-29.39,19.352) -29.889,19.444 cw(c-32.994,20.01) -29.98,19.075 cw(c-32.994,20.01) -29.981,19.073 cw(c-32.994,20.01) -30.261,18.432 ccw(c-29.822,18.176) -30.262,18.43 cw(c-32.994,20.01) -35.412,17.982 -36.229,18.799 ccw(c-38.026,17.003) -38.026,19.543 -51.435,19.543 ; -6.756,39.02 cw(c-5.317,38.421) -6.613,39.287 -6.479,39.487 cw(c-5.184,38.619) -6.288,39.72 -6.118,39.891 cw(c-5.015,38.788) -5.882,40.084 -5.682,40.218 cw(c-4.817,38.921) -5.601,40.268 ccw(c-5.857,40.707) -5.349,40.709 -5.349,49.784 -8.164,49.784 cw(c-8.164,49.826) -8.206,49.826 -8.206,50.94 cw(c-7.698,50.94) -7.854,51.424 ccw(c-8.381,53.065) -6.66,53.162 cw(c-6.153,53.191) -6.66,53.164 cw(c-6.153,53.191) -6.661,53.191 -6.661,54.991 -6.661,55.118 ; -185.816,80.235 -185.816,79.3 D407.1@-185.802,79.3 -145.236,79.3 -145.164,79.3 ccw(c-145.164,79.808) -144.663,79.725 cw(c-144.215,79.65) -144.215,80.104 -141.585,80.104 ; -141.585,80.104 -141.585,79.667 -101.412,79.667 ccw(c-101.412,80.838) -100.584,80.01 cw(c-99.664,79.09) -99.664,80.391 -99.187,80.391 cw(c-99.187,79.629) -98.425,79.629 -98.425,79.3
  Bottom Layer w0.508: v3(-39.878,80.772) -39.734,80.628 ccw(c-37.938,82.424) -38.966,80.101 ccw(c-38.76,80.566) -38.76,80.058 -37.129,80.058 cw(c-37.127,79.299) -36.768,79.967 cw(c-37.127,79.299) -36.766,79.966 ccw(c-36.195,81.026) -36.576,79.884 ccw(c-36.195,81.026) -36.251,79.823 cw(c-36.274,79.316) -36.076,79.784 ccw(c-35.55,81.026) -35.55,79.677 -15.737,79.677 -14.471,79.677 ccw(c-14.471,80.185) -13.977,80.066 cw(c-12.3,79.665) -10.623,80.066 ccw(c-10.129,80.185) -10.129,79.677 -9.192,79.677 cw(c-9.192,78.232) v3(-7.747,78.232)
VDD: C305.2 CON303.5 CON304.1 L301.1 R303.1 R304.1 U301.19 | length 67.3
  Component Side w0.203: CON304.1@-177.419,20.574 -177.419,19.558 ccw(c-175.895,19.558) -175.895,18.034 v1(-172.085,18.034) ; v1(-170.763,24.246) cw(c-170.284,23.767) -170.393,24.436 cw(c-170.284,23.767) -170.284,24.445 -167.725,24.445 v1(-167.551,24.271) ; R304.1@-156.098,23.495 cw(c-156.098,23.226) -155.829,23.226 -155.956,23.099 v1(-155.956,22.479) -155.829,22.352 -155.829,20.178 ; U301.19@-155.988,18.106 -155.988,19.575 ccw(c-156.591,19.575) L301.1@-156.591,20.178 -155.829,20.178 ; C305.2@-155.067,20.178 -155.829,20.178 ; v1(-153.289,22.479) -153.147,22.479 ccw(c-153.147,23.495) R303.1@-152.131,23.495
  Bottom Layer w0.203: CON303.5@-192.151,21.844 CON303.5@-192.151,22.352 ; v1(-172.085,18.034) ccw(c-172.085,19.356) -170.763,19.356 v1(-170.763,24.246) ccw(c-171.409,24.246) -171.409,24.892 -189.611,24.892 ccw(c-189.611,22.352) -191.945,23.354 ; v1@-167.55,24.27 ccw(c-166.291,25.531) -166.291,23.749 -157.226,23.749 cw(c-157.226,22.479) -156.939,23.716 cw(c-157.226,22.479) -155.989,22.766 cw(c-157.226,22.479) v1(-155.956,22.479) -155.542,22.479 ccw(c-154.94,22.479) -154.338,22.479 v1(-153.289,22.479) ; CON303.5@-192.151,22.352 cw(c-189.611,22.352) -191.945,23.354 ; CON303.5@-192.151,22.352 -192.151,22.622 cw(c-190.748,22.622) -191.945,23.354
VSYS: BZ401.1 C301.2 C302.2 C310.2 C311.2 D417.2 Q401.2 R402.2 R405.1 U301.23 U304.10 U304.11 | length 327.2
  Component Side w0.5: R405.1@-238.14,27.559 cw(c-238.14,28.544) -239.125,28.544 D417.2@-239.125,29.337 -239.125,33.96 ccw(c-241.665,33.96) -241.665,36.5 BZ401.1@-241.966,36.5 -241.966,38.065 cw(c-237.486,38.065) -237.486,42.545 v2(-153.289,42.545) ; C302.2@-160.147,20.178 -160.147,20.163 C301.2@-158.697,20.163 ; U301.23@-158.528,18.106 -158.528,19.994 ccw(c-158.697,19.994) C301.2@-158.697,20.163 ; -31.072,58.249 -30.07,58.249 cw(c-30.07,57.331) C311.2@-29.421,57.98 C310.2@-28.024,57.98 ; Q401.2@-9.332,58.604 ccw(c-9.417,58.604) -9.417,58.689 R402.2@-11.049,58.689 -11.049,59.182 ccw(c-13.589,59.182) -13.589,61.722 -22.189,61.722 ccw(c-22.189,59.182) -23.985,60.978 -26.576,58.387 cw(c-27.559,59.371) -27.559,57.98 C310.2@-28.024,57.98 ; C301.2@-158.697,20.163 -158.272,20.163 ccw(c-158.272,20.701) -157.734,20.701 -157.734,36.38 cw(c-155.194,36.38) -155.194,38.92 -17.252,38.92 ccw(c-17.252,41.533) -14.65,41.289 ccw(c-17.062,41.565) -14.635,41.516 ccw(c-15.339,41.528) -14.644,41.639 ccw(c-17.062,41.565) -14.739,42.24 ccw(c-17.062,41.565) -15.263,43.183 ccw(c-15.784,42.716) -15.265,43.185 ccw(c-17.062,41.565) -17.074,43.985 cw(c-17.073,44.246) -17.334,44.246 -17.334,50.63 ccw(c-19.444,51.815) -17.027,51.689 -17.027,53.848 ccw(c-19.567,53.848) -19.567,56.388 -27.305,56.388 cw(c-27.305,57.107) -28.024,57.107 C310.2@-28.024,57.98
  Bottom Layer w0.5: v2(-153.289,38.862) v2(-153.289,42.545)
pads on no net: CON301. CON301.A8 CON301.B8 CON304.0 CON304.6 D301.1 D301.6 D302.3 D302.4 D416.2 FID1.0 FID2.0 FID3.0 FID4.0 S201. S202. S203. S204. S205. S206. S207. S208. S209. S210. S211. S212. S213. S214. S215. S216. S217. S218. S219. S220. S221. S222. S223. S224. S225. S226. S227. S228. S229. S230. S231. S232. S233. S234. S235. S236. S237. S238. S239. S240. S241. S242. S243. S244. S245. S246. S247. S248. S249. S250. S251. S252. S253. S254. S255. S256. S257. S258. S259. S260. S261. S262. S263. S264. S265. S266. S267. SW301. U302.1 U302.4 U302.5 U302.9 U401. U401.M
copper on no net: | length 0.2
  Bottom Layer w0.203: -283.844,85.415 -283.594,85.415

## Polygon pours and split planes (outlines as drawn)
GND on Component Side "Component Side-No Net" (solid, remove dead copper, pour order 8): -0.635,93.995 -0.635,0.65 -284.48,0.65 -284.48,93.995
GND on Bottom Layer "Component Side-No Net" (solid, remove dead copper, pour order 4): -0.635,93.995 -0.635,0.65 -284.48,0.65 -284.48,93.995

## Other copper
Component Side:
  pour cut-out: -189.992,-1.016 -189.992,2.413 cw(c-188.722,2.413) -188.722,3.683 -119.634,3.683 cw(c-119.634,2.413) -118.364,2.413 -118.364,-1.016
Bottom Layer:
  pour cut-out: -189.992,-1.016 -189.992,2.413 cw(c-188.722,2.413) -188.722,3.683 -119.634,3.683 cw(c-119.634,2.413) -118.364,2.413 -118.364,-1.016

## Silkscreen, mask and mechanical layers (free items; w line width, h text height)
Top Overlay:
  drawing of 22 lines, arcs and shapes, not listed
  text "ROT A" at -265.176,83.312 h0.75 r270
  text "ROT C" at -262.636,83.312 h0.75 r270
  text "ROT B" at -260.096,83.312 h0.75 r270
  text "ROT SW" at -264.16,72.898 h0.75
  text "Battery connector:" at -85.344,60.575 h0.75
  text "CON402: JST S2B-PH-KS (PH THT) / CON401: JST SM02B-SRSS-TB (SM SMD)" at -91.948,57.277 h0.75
  text "NOTE: Use only one 1 cell, 3.7V battery" at -93.693,55.401 h0.75
  text "ON  | OFF" at -31.115,43.069 h0.75 r90
  text "DIO" at -189.992,25.781 h0.75 r270
  text "CLK" at -187.579,25.781 h0.75 r270
  text "RST" at -185.039,25.781 h0.75 r270
  text "GND" at -182.499,25.781 h0.75 r270
  text "3V3" at -191.897,23.749 h0.75 r90
  text "2" at -177.546,23.495 h0.75
  text "6" at -175.006,23.495 h0.75
  text "CON304" at -211.455,23.114 h0.75
  text "Double tap S301 to enter bootloader (if flashed)" at -144.428,22.414 h0.75
  text "1: DIO - 2: 3V3 / 3: RST - 4: CLK / 5: GND - 6: NC" at -214.884,18.669 h0.75
  text "1" at -177.546,18.161 h0.75
  text "5" at -174.879,18.161 h0.75
  text "cyber60" at -139.954,3.556 h5
  text "SMK" at -123.807,3.484 h1.75
  text "by 4pplet" at -130.03,1.579 h2
  text "Rev E1" at -139.936,1.452 h2
Bottom Overlay:
  lines w0.2: -264.668,76.708 -264.668,74.168 -259.588,74.168 -259.588,76.708 ; -265.938,76.708 -258.318,76.708 -258.318,79.248 -265.938,79.248 -265.938,76.708 ; -59.563,56.388 -59.563,60.579 -56.515,60.579 -56.515,60.198 -56.515,56.388 -59.563,56.388
  text "ROT A" at -264.414,83.312 h0.75 r90
  text "ROT C" at -261.874,83.312 h0.75 r90
  text "ROT B" at -259.334,83.312 h0.75 r90
  text "ROT SW" at -259.969,72.898 h0.75
  text "ON  | OFF" at -32.131,43.069 h0.75 r270
outline:
  lines w0.1: -284.861,36.576 -280.67,36.576 ccw(c-280.67,37.719) -279.527,37.719 ; -284.85,36.565 -284.85,2.215 ccw(c-282.85,2.215) -282.85,0.215 -275.85,0.215 cw(c-272.7,-0.52) -269.55,0.215 -236.137,0.215 cw(c-232.987,-0.52) -229.838,0.215 -189.05,0.215 cw(c-185.9,-0.52) -182.75,0.215 -102.25,0.215 cw(c-99.1,-0.52) -95.95,0.215 -55.161,0.215 cw(c-52.011,-0.52) -48.861,0.215 -15.45,0.215 cw(c-12.3,-0.52) -9.15,0.215 -2.15,0.215 ccw(c-2.15,2.215) -0.15,2.215 ccw(c-0.15,2.238) -0.127,2.238 -0.127,36.576 -4.191,36.576 cw(c-4.191,37.846) -5.461,37.846 cw(c-4.242,37.846) -4.242,39.065 -0.15,39.065 -0.15,92.415 ccw(c-2.15,92.415) -2.15,94.415 -7.15,94.415 ; -279.527,37.795 ccw(c-280.797,37.795) -280.797,39.065 -284.85,39.065 -284.85,92.415 cw(c-282.85,92.415) -282.85,94.415 -275.85,94.415 ccw(c-272.7,95.149) -269.55,94.415 -250.424,94.415 ccw(c-247.274,95.149) -244.124,94.415 -189.05,94.415 ccw(c-185.9,95.149) -182.75,94.415 -131.361,94.415 ccw(c-128.211,95.149) -125.061,94.415 -102.25,94.415 ccw(c-99.1,95.149) -95.95,94.415 -40.874,94.415 ccw(c-37.724,95.149) -34.574,94.415 -13.477,94.415 ccw(c-10.327,95.149) -7.177,94.415
  lines w0.2: -279.527,37.719 -279.527,37.795
Prophet:
  drawing of 445 lines, arcs and shapes, not listed
  text "PROPHET" at -20.347,93.6 h0.5
Plain60 - Flex:
  drawing of 558 lines, arcs and shapes, not listed
  text "PLAIN60" at -19.839,93.6 h0.5
Voyager60:
  drawing of 1064 lines, arcs and shapes, not listed
  text "VOYAGER60" at -20.474,93.6 h0.5
ArcticPCB:
  drawing of 445 lines, arcs and shapes, not listed
  text "ARCTICPCB" at -19.966,93.6 h0.5
GH60:
  drawing of 762 lines, arcs and shapes, not listed
  text "GH60" at -19.204,93.6 h0.5
Polaris:
  circle w0.013: c-9.15,85.415 r2.5
  lines w0.013: -22.675,97.915 -14.675,97.915 ; -18.675,96.415 -18.675,97.915 ; -15.65,78.415 -2.65,92.415 ; -284.45,1.715 ccw(c-282.7,1.715) -282.7,-0.035 -2.3,-0.035 ccw(c-2.3,1.715) -0.55,1.715 -0.55,92.915 ccw(c-2.3,92.915) -2.3,94.665 -12.5,94.665 cw(c-12.5,95.665) -13.492,95.54 ccw(c-14.484,95.415) -14.484,96.415 -22.866,96.415 ccw(c-22.866,95.415) -23.858,95.54 cw(c-24.85,95.665) -24.85,94.665 -282.7,94.665 ccw(c-282.7,92.915) -284.45,92.915 -284.45,1.715
  lines w0.1: -18.675,90 -18.675,93
  text "POLARIS" at -20.22,93.6 h0.5
Tsuki:
  drawing of 725 lines, arcs and shapes, not listed
  text "TSUKI" at -17.299,92.302 h0.5
Mechanical 9:
  lines w0.2: -189.992,2.413 -189.992,-1.016 -188.722,-1.016
  lines w0.203: -189.992,2.413 cw(c-188.722,2.413) -188.722,3.683 -119.634,3.683 cw(c-119.634,2.413) -118.364,2.413 -118.364,-1.016 -188.722,-1.016

## Dimensions
-0.15,92.415 to -284.85,92.415 on top dimensions
-9.15,0.215 to -7.177,94.415 on top dimensions
-0.15,92.415 to -284.85,92.415 on bot dimensions
-9.15,0.215 to -2.15,94.415 on bot dimensions

## Text inside footprints (layer, text, board x,y; h text height)
CON301: Mechanical 15 "connector edge" at -15.25,95.5 h1 r180
S261: Mehanical 16 "7U" at -208.331,7.365 h1.52 r270; Mehanical 16 "6.25U" at -188.764,5.615 h1.52 r270